# KiCad board Rogelio Pineda part 7-AMLDC-2044B.kicad_pcb (continued)
## Routing (per net, layer and track width the routed paths; a pad name or vN(x,y) marks a point on that pad's centre or on a via; arc(x,y) is an arc through that point) (continued)
C4p11: length 4.6
  Bottom w0.15: UC4.11 269.15,384.29 269.48,384.63 269.59,384.83 270.65,384.84 271.71,384.89 UC4.10
C4p13: length 365.6
  Top w0.15: UC4.13 264.15,382.8 264.17,379.8 UC4.2 ; v1(325.08,379.84) 325.08,377.59 325.13,377.55 324.92,353.63 324.9,350.84 324.83,342.97 324.77,338.71 325.04,328.82 325.18,326.62 325.36,324.82 325.67,316 325.93,310.38 326.43,296.76 326.56,295.31 326.75,290.89 326.93,288.4 327.34,279.21 327.61,275.46 327.83,270 327.93,268.82 328.2,263.97 328.58,256.01 328.81,253.12 328.84,244.1 328.77,241.55 328.77,232.8 328.69,223.91 328.69,203.85 328.64,203.81 328.74,187.88 328.73,186.65 328.63,181.67 328.77,174.69 328.36,171.65 327.7,168.28 326.93,164.14 326.37,162.28 325.99,159.57 325.49,157.71 325.31,154.77 325.13,153.19 325.08,151 325.18,149.71 324.95,148.18 324.43,145.98 324.58,137.42 324.31,119.77 324.2,101.83 324.11,99.44 324.17,98.09 324.13,85.99 324.13,85.57 v1(324.31,85.39) 324.43,85.27 ; 324.31,119.94 324.44,119.81
  Bottom w0.15: 293.08,380.69 289.43,381.1 274.07,381.27 270.73,381.39 268.95,381.9 267.83,382.86 UC4.12 265.8,384.49 264.87,384.49 UC4.13 ; 293.08,380.69 293.15,380.68 ; 293.08,380.69 296.55,380.52 297.52,380.26 302.92,380.26 322.9,380.03 323.94,380.07 v1(325.08,379.84)
C5p4: length 39.4
  Top w0.15: UD5.10 313.5,369.19 313.02,370.73 310.61,372.24 309.78,372.7 308.26,373.43 307.86,373.81 307.81,373.81 306.87,374.75 306.87,375.16 UC5.4 306.4,376.88 306.42,376.9 305.96,378.19 305.61,379.09 305.16,379.64 305.13,379.7 304.57,379.96 303.68,379.92 302.7,379.21 302.69,374.12 302.83,371.03 302.66,369.7 302.52,365.35 302.32,364.58 302.14,363.26 302,362.89 301.82,361.82 301.55,360.34 UD5.2
C6p9: length 39.5
  Top w0.15: UC7.3 385.61,377.4 385.71,381.97 385.71,382.96 UC7.12
  Bottom w0.15: UC6.9 356.9,382.87 357.74,381.97 358.08,381.47 358.61,381.14 360.05,380.33 361.15,379.87 362.94,379.43 363.81,379.43 364.59,379.54 365.88,379.79 366.4,379.95 367.22,380.15 368.02,380.3 368.82,380.36 375.35,380.22 379.23,380.22 379.25,380.2 380.4,380.2 381.25,380.28 383.02,380.87 384.26,381.78 384.35,381.84 384.45,381.94 384.75,382.23 UC7.12
C6p12: length 207.5
  Top w0.15: v1(372.38,249.78) 372.62,250.02 372.62,260.75 372.6,261.86 372.83,265.58 373.34,266.77 373.95,267.94 374.13,268.28 374.69,270.18 374.67,271.86 374.75,272.98 374.82,276.36 374.78,276.89 374.79,277.34 374.9,297.2 374.77,297.93 374.67,298.32 374.54,298.91 374.26,299.85 374.17,300 373.89,300.6 373.74,301.02 373.25,301.99 372.88,302.98 372.36,304.44 372.4,305.45 372.48,305.72 372.67,307.15 373.12,308.35 373.5,310.31 373.41,311.93 373.09,314.29 372.71,315.22 372.43,317.13 372.42,317.86 372.55,318.62 372.95,319.4 373.79,321.21 373.91,323.09 373.89,323.11 373.96,324.1 373.98,327.1 374.01,327.82 374,328.5 374.26,341.67 374.05,343.34 373.78,346.71 373.07,349.32 373.13,351.06 373.22,351.64 373.57,352.82 374.23,354.98 374.18,363.72 374.08,365.12 373.9,366.29 373.64,366.91 373.06,368.01 372.78,368.5 372.5,369.36 372.32,370.08 372.32,371.23 372.6,372.82 372.64,373.96 372.78,374.67 372.84,376.18 372.81,377.59 372.96,379.9 372.93,380.54 372.86,383.17 372.99,383.31 372.99,388.42 v1(372.92,388.5) ; UL7.12 384.75,229.29 384.72,229.95 UK7.3
  Bottom w0.15: v1(372.92,388.5) 372.1,388.75 370.8,388.43 367.05,387.89 361.5,387.69 354.23,387.84 352.82,387.86 350.49,387.75 349.62,387.29 348.86,384.89 UC6.12 ; 376.13,250.57 375.4,250.48 373.82,250.18 373.09,249.92 v1(372.38,249.78) ; 376.13,250.57 378.39,250.76 379.81,250.77 382.49,251.09 383.26,251.8 383.71,252.15 UK7.3
C6p13: length 128.7
  Top w0.15: v1(406.78,343.86) 407.39,345.09 407.65,346.1 407.88,347.27 407.86,348.07 407.88,349.18 407.85,350.48 407.9,351.05 407.73,353.59 407.38,355.03 407.19,356.61 407.01,357.67 406.85,361.38 407.02,362.94 407.23,364.01 407.36,365.04 407.49,366.15 407.6,370.9 407.55,372.43 407.64,373.94 407.68,377.09 407.68,378.69 407.73,381.93 407.73,383.13 407.7,384.47 407.67,385.07 407.55,388.13 407.39,389.11 407.3,389.32 v1(407.02,389.73)
  Bottom w0.15: UE8.3 421.72,341.15 421.42,341.58 421.08,342.04 420.4,342.65 419.46,343.03 418.75,343.03 418.11,343.08 417.38,343.07 416.73,343.1 415.02,343.15 414.1,343.17 412.02,343.46 410.67,343.63 408.23,343.73 v1(406.78,343.86) ; v1(407.02,389.73) 406.62,389.4 406.36,389.23 405.64,389.14 405.4,389.13 405.02,389.07 403.94,388.94 401.01,388.95 399.17,388.87 397.57,388.74 396.5,388.62 392.03,388.36 390.35,388.33 383.18,388.39 381.61,388.45 381.43,388.45 380.2,388.5 378.17,388.76 376.37,389.7 375.63,390.12 374.88,390.47 374.24,390.78 373.3,390.94 371.97,390.78 368.99,389.92 366.3,389.19 349.98,388.89 348.88,388.37 348.54,388.24 348.12,387.88 347.57,387.23 347.01,385.85 346.83,385.61 346.63,384.87 346.38,383.71 UC6.13
C7p2: length 294.3
  Top w0.15: 371.28,345.83 371.11,344.65 371.01,343.64 371.01,342.97 370.91,340.49 370.78,339.04 370.83,337.68 370.78,337.03 370.78,336.74 370.78,336.27 370.74,335.52 370.73,334.76 370.98,332.59 371.23,330.79 371.28,330.01 371.33,329.11 371.18,327.47 371,326.86 370.79,326.09 370,324.38 369.77,323.39 369.64,322.64 369.47,320.33 369.39,318.15 369.58,315.99 369.88,315.06 370.05,314.09 370.35,313.07 370.46,312.41 370.54,311.95 370.48,310.94 370.49,310.25 370.14,308.71 369.98,307.78 369.81,307.27 369.6,306.46 369.66,306.39 369.66,305.64 369.59,304.16 369.79,302.85 370.08,302.08 370.15,301.62 370.55,300.74 370.83,299.67 370.97,299.16 371.09,298.74 371.3,298.21 371.32,297.76 371.54,296.54 371.74,281.8 371.6,279.98 371.31,279.28 371.18,278.81 370.89,278.13 370.73,277.51 370.57,276.81 370.8,276.11 371.13,275.23 371.56,274.56 371.95,273.68 372.46,272.01 372.4,269.97 371.73,267.88 371.32,266.68 370.88,265.51 370.79,260.71 370.88,256.2 370.84,255.48 370.78,254.92 370.54,253.62 370.45,252.86 370.32,251.4 370.28,250.93 370.34,249.26 371.22,247.69 371.53,247.01 372.27,245.43 372.28,244.52 372.4,242.59 372.33,237.64 372.26,216.3 372.05,214.52 371.88,212.37 371.35,210.42 371.1,207.88 371.04,202.27 370.84,196.93 370.8,195.96 370.73,194.78 370.8,193.39 371.03,192.1 371.2,191.16 371.63,190.03 372.18,188.3 372.9,186.43 372.64,170.74 372.5,169.66 372.32,168.03 372.17,166.32 372,164.98 371.77,156.19 371.68,142.57 371.74,118.26 372.01,117.98 371.98,108.81 371.75,105.38 371.61,104.18 371.26,96.52 371.26,96.52 v1(371.22,96.52) 371.22,96.48 371.19,96.45 ; 371.24,345.26 371.41,346.96 371.63,348.26 372.07,350.13 372.05,350.15 372.2,350.73 372.34,351.73 372.61,352.69 372.97,354.22 373.22,355.87 373.29,361.22 373.25,361.65 373.18,363.66 372.99,365.11 372.62,366.19 372.23,367 371.79,368.25 371.29,369.69 371.25,370.13 370.87,372.29 v1(370.76,373.24)
  Bottom w0.15: v1(370.76,373.24) 371.31,373.52 372.07,373.77 376.33,373.88 376.64,373.86 ; 376.64,373.86 381.18,373.97 381.87,374.08 382.2,374.25 382.69,374.49 382.77,374.64 UC7.2 ; 376.64,373.86 376.82,373.85
C7p11: length 171.3
  Top w0.15: v1(409.32,356.65) 409.58,356.09 409.76,355.53 409.88,354.26 410,352.94 409.93,345.69 409.93,344.85 409.5,343.45 408.92,342.4 408.19,341.61 408.07,341.24 407.58,339.7 407.73,337.25 407.83,336.61 407.88,334.14 407.87,334.13 407.87,328.05 407.98,326.27 407.98,321.71 408.04,321.44 408.15,320.2 408.22,319.65 408.3,318.45 408.66,316.07 408.77,312.54 408.79,310.46 408.49,307.55 408.32,305.86 408.15,303.76 408.04,302.38 407.9,301.12 407.74,299.51 407.65,297.96 407.48,295.43 407.41,294.07 407.3,288.7 407.25,288.65 407.25,285.6 407.3,285.55 407.23,282.81 407.15,281.28 407.09,278.3 407.07,276.86 407.09,276.36 407.07,273.26 407.29,268.01 407.37,266.82 407.41,265.26 407.53,264.37 407.57,263.2 407.57,262.31 407.75,260.97 v1(407.63,259.98) ; UC7.11 388.48,382.45 389.2,381.42 390.08,380.31 390.27,379.92 390.99,378.85 391.59,377.23 391.68,376.52 391.62,373.91 391.5,373.24 391.32,372.33 391.06,371.73 390.49,370.76 389.29,369.19 389.08,367.53 389.08,366.9 389.08,365.52 388.69,364.52 387.7,362.83 387.23,362.21 386.96,361.73 386.43,361.04 385.88,360.36 UD7.3
  Bottom w0.15: UK8.10 UK8.11 UK8.12 421.4,260.12 421.08,259.74 ; 421.08,259.74 421.2,259.86 ; 421.08,259.74 420.59,259.4 420.1,259.01 419.35,258.81 418.51,258.64 418.5,258.65 417.49,258.63 416.48,258.79 414.15,259.35 412.16,260.02 410.59,260.09 409.71,259.94 409.03,259.97 408.39,259.98 408.06,260 v1(407.63,259.98) ; v1(409.32,356.65) 409.2,356.77 408.11,356.59 388.39,356.42 386.75,356.5 385.69,357.03 385.25,357.44 384.92,358.31 UD7.3
C8p8: length 19.6
  Top w0.15: UC8.8 430.73,382.37 430.37,382.02 429.72,381.54 428.32,380.36 427.67,380.07 426.62,379.41 426.3,379.08 426,378.72 425.53,377.91 425.22,377.44 425.07,373.5 424.83,372.51 424.68,371.61 424.36,370.14 424.24,369.44 UD8.11
C8p10: length 20.3
  Top w0.25: UB8.11 426.11,397.38 427.41,395.8 427.93,392.98 428.13,391.95 427.78,388.93 427.48,387.48 427.28,386.45 426.84,382.95
  Bottom w0.2: UC8.10 UC8.9
C47p1: length 7.9
  Bottom w0.15: C47.1 R43.2 401.55,267.5 CR2.2
CLR: length 71.3
  Top w0.15: v1(82.28,315.8) 83.43,318.68 84.7,320.88 85.82,323.83 87.25,326.37 88.05,328.12 89.85,330.82 90.52,331.39 90.94,331.74 92.27,333.27 92.99,334.72 93.07,337.16 92.77,338.79 v1(92.28,340.91)
  Top w0.2: UD0.3 114.66,360.51 114.15,359.69 113.46,359.06 112.74,358.54 111.37,357.82 110.49,357.91 R71.2
  Bottom w0.15: R71.2 108.87,356.86 105.93,356.84 103.2,356 101.87,355.45 99.71,354.57 97.17,353.2 95.08,351.19 94.53,349.77 94.32,348.52 94.38,346.95 94.54,345.91 94.59,344.94 94.51,342.93 93.01,340.91 v1(92.28,340.91) ; J1.50 79.95,314.89 80.4,315.89 80.92,315.94 81.58,315.93 v1(82.28,315.8)
D0p2: length 24.4
  Top w0.2: UD0.2 112.38,362.95 112.1,364.37 111.58,367.45 111.28,369.4 111.25,371.24 111.53,371.98 v1(112.39,373.78) 112.48,373.82
  Bottom w0.15: v1(112.39,373.78) 112.24,374.16 111.93,374.78 111.53,375.23 110.85,375.95 109.96,376.25 108.93,376.28 108.67,376.27 108.34,375.93 R46.2 106.18,376.14 C1.1 106.18,376.33 106.2,376.31 107.23,376.23
D0p4: length 12
  Bottom w0.15: UD0.4 118.08,360.9 118.67,359.68 119.34,358.63 120.84,357.91 122.86,357.55 R71.1 ; R71.1 124.1,356.31 ; R71.1 C58.1
D0p6: length 173.1
  Top w0.15: v1(175.21,354.86) 174.88,353.91 174.85,353.38 174.75,350.13 174.74,343.17 174.71,341.06 174.85,334.87 174.89,331.99 174.76,328.21 174.71,327.38 174.62,326.51 174.4,325.26 174.06,324.58 174.88,322.57 174.74,321.97 174.88,319.13 174.81,318.44 174.58,315.99 174.34,314.77 174.22,313.65 174.09,313 174.16,310.32 175.39,305.74 175.32,301.53 175.03,296.87 175.05,295.08 175.7,293.54 176.04,292.35 177.11,290.32 177.14,282.38 177.11,282.34 177.11,274.57 177.07,274.54 177.14,274.23 177.21,273.13 177.21,262.01 v1(177.31,261.91)
  Bottom w0.15: UD0.6 123.15,360.56 124.74,359.24 129.6,359.04 133.48,358.89 136.67,358.59 139.58,358 145.67,356.36 153.97,357.75 158.54,357.56 162.52,356.4 169.51,356.25 v1(175.21,354.86) ; v1(177.31,261.91) 183.73,262.9 187.92,263.92 191.22,264.42 192.62,264.55 196.68,264.55 197.57,264.3 198.72,263.28 198.72,263.03 198.79,262.95 UK2.10
D0p8: length 568.2
  Top w0.15: v1(285.47,253.41) 285.54,253.41 288.37,250.96 289.08,250.28 290.07,248.75 289.85,245.12 289.63,244.1 289.32,242.62 289,240.63 288.56,236.56 288.47,235.26 288.05,231.74 287.74,229.28 287.66,217.18 287.59,214.14 287.83,183.47 287.59,175.49 287.43,171.11 ; 215.69,280.35 215.58,282 214.73,287.39 214.03,290.69 213.58,293.37 213.58,294.54 213.89,329.95 213.94,331.75 213.91,334.02 213.87,335.76 214.06,347.86 214.1,348.57 214.24,349.64 214.19,355.96 214.12,357.24 213.84,360.45 213.85,361.19 213.62,369.75 213.82,370.46 214.48,372.51 214.88,373.46 v1(215.36,374.74) ; 215.68,280.58 215.91,277.06 215.94,275.63 215.88,263.02 ; v1(337.09,214.45) 336.67,213.41 336.34,212.67 335.81,211.72 334.59,209.81 334.32,209.25 334.09,208.27 334.33,206.53 334.66,205.58 334.86,204.97 335.28,203.52 335.43,202.73 335.63,201.91 335.68,198.44 335.95,196.73 336.26,195.14 336.61,193.3 337.06,190.73 337.4,189.33 337.85,185.01 337.82,182.97 337.99,182.26 337.93,182.21 338.01,180.64 338.25,176.34 338.33,174.33 338.31,173.03 338.38,171.73 338.43,169.87 338.45,167.7 338.25,164.47 337.59,163.12 336.97,161.18 v1(336.76,160.96) ; v1(287.53,159.94) 287.26,160.21 287.44,172.18 ; 215.89,263.2 215.48,255.51 215.45,254.71 215.23,247.88 215.19,246.64 214.96,243.13 214.89,241.87 214.55,237.44 214.42,236.01 214.12,232.53 v1(213.84,231.17)
  Bottom w0.15: UM6.9 355.68,212.36 355.36,213.3 355.05,213.57 355.02,213.57 353.78,214.35 352.39,214.63 351.39,214.62 349.33,214.57 348.42,214.56 348.14,214.57 337.9,214.57 337.48,214.58 v1(337.09,214.45) ; v1(336.76,160.96) 336,160.87 335.78,160.29 335.71,159.19 335.89,158.24 335.94,157.81 336.08,157.29 336.34,156.32 336.34,155.72 335.84,154.94 335.8,154.91 335.66,154.64 335.32,154.34 335.2,154.21 334.8,154.06 334.86,154.07 334.15,153.94 333.46,154.2 333.1,154.62 332.74,155.06 332.64,155.36 332.18,155.96 331.84,156.5 330.36,157.98 328.02,158.62 327.24,158.8 325.85,158.96 324.19,159.09 323.45,159.2 323.2,159.2 322.26,159.32 321.08,159.34 319.74,159.44 317.78,159.62 313.97,159.64 312.38,159.7 294.79,159.71 294.35,159.76
  Bottom w0.2: v1(215.36,374.74) 214.55,374.2 213.84,373.92 211.42,372.56 208.24,372.11 208.22,372.13 199.1,372.03 195.37,372.71 190.65,373.85 186.98,375.74 185.48,376.38 184.45,376.93 178.48,376.64 173.67,376.64 148.82,376.36 148.29,376.24 147.2,375.88 145.33,374.68 143.61,374 142.47,373.66 140.82,373.23 136.28,372.15 133.78,371.9 130.97,371.33 128.59,371.21 127.73,371.08 127.28,371.08 125.98,371.12 125.27,370.83 UD0.8 ; v1(213.84,231.17) 202.67,231.06 201.78,230.62 201.48,230.39 201.36,230.01 201.25,229.54 UL2.9 ; UP4.7 276.91,161.2 277.6,160.15 279,159.51 281.39,159.99 283.4,160.34 285.97,160.26 287.53,160.12 v1(287.53,159.94) 288.76,159.9 291.65,159.8 292.51,159.82 294.49,159.76 ; v1(215.28,250.56) 216.04,250.73 216.82,250.87 217.55,251.02 221.28,251.39 222.42,251.47 235.69,251.47 237.57,251.46 241.52,251.3 247.24,251.44 248.94,251.81 252.06,253.15 254.79,254.44 257.21,255.59 259.18,256.48 262.26,257.76 264.84,258.6 267.82,258.73 271.37,258.22 276.29,256.87 278.76,255.85 281.32,255.1 283.45,254.4 284.54,254.06 285.47,253.63 v1(285.47,253.41)
D0p9: length 210.3
  Top w0.15: v1(179.71,296.25) 179.86,296.41 179.86,298.47 180.19,299.83 180.3,308.5 180.21,308.59 180.28,308.66 180.44,312.69 180.31,315.2 180.16,318.07 179.42,322.05 179.64,326.85 179.89,327.96 180.02,329.77 180.34,332.87 180.17,336.44 180.21,336.91 180.14,339.12 179.89,342.64 179.52,347.3 179.12,351.34 178.97,352.65 178.97,355.65 179.1,356.57 179.32,357.64 179.59,359.72 179.79,360.71 180.07,362.37 180.12,363.21 180.59,367.63 180.69,368.99 180.88,370.15 v1(181.19,371.34)
  Top w0.25: UD0.13 113.23,369.01 113.83,368 114.98,367.5 121.73,367.35 ; 121.73,367.35 UD0.9 ; 121.73,367.35 121.28,365.95 120.53,363.6 120.39,362.63 UD0.5 121.88,354.15 122.43,352.9 122.58,352.35 122.64,352.29 122.64,350.67 122.03,349.6 121.43,348.8 120.68,348.4 119.93,348.25 119.18,348.2 118.03,348.15 115.88,348.2 113.93,348.55 112.48,350 112.48,350.67
  Bottom w0.2: UD0.9 123.11,369.18 123.83,368.73 124.33,368.54 125.49,368.14 126.22,368.28 129.13,369.26 131.42,370.06 136.57,371.06 139.14,371.45 142.82,372.7 144.39,373.39 145.53,374.02 145.94,374.17 146.52,374.31 147.14,374.9 147.34,375.31 151.28,375.44 151.84,375.43 156.65,375.3 157.61,375.31 158.29,375.25 170.97,375.53 173.42,375.35 174.7,375.33 176.31,374.62 178.27,373.52 179.26,372.93 179.89,372.46 180.71,371.99 v1(181.19,371.34) 182.35,370.54 184.33,369.3 185.55,369.26 186.35,369.81 187.78,370.91 188.63,371.33 189.45,371.16 190.35,370.74 191.4,369.87 UD2.13 ; v1(179.71,296.25) 178.93,296.4 175.02,296.63 174.08,296.71 173.44,296.71 171.63,296.66 169.12,296.96 167.31,297.15 166.34,297.27 164.16,297.31 163.61,297.61 UH1.8
D0p10: length 12.3
  Top w0.25: R83.2 122.19,373.52 122.14,373.57 121.63,373.5 120.28,372.1 UD0.10
  Bottom w0.2: 123.83,373.8 125.68,373.8 125.73,373.85 124.37,373.85 R83.2 125.82,373.52 C20.2
D0p12: length 357.5
  Top w0.15: v1(104.93,48.29) 104.93,48.64 105.09,48.83 105.08,51.09 105.15,51.17 v1(104.97,51.89) 105.28,52.21 105.28,62.74 105.41,64.28 105.14,68.73 104.57,70.1 104.19,70.95 103.9,71.43 103.67,71.77 103.38,72.87 103.4,73.99 104,77.05 104.18,78.23 104.25,79.53 104.23,80.08 104.19,81.16 104.31,89.18 104.2,90.29 103.4,93.24 103.05,94.07 102.74,94.88 102.45,96.06 102.59,98.03 102.65,98.44 102.97,99.36 103.28,100.92 103.53,103.44 103.45,106.3 103.43,107.03 103.27,108.04 103.18,108.95 102.88,109.87 102.42,111.19 102.26,111.79 102.07,112.58 101.7,113.6 100.94,115.88 100.82,116.4 100.67,117.14 100.42,118.75 100.39,119.28 100.45,120.5 100.93,122.22 101.05,122.81 101.22,124.39 101.45,125.89 101.56,127.77 101.83,152.09 101.5,158.32 101.34,159.19 101.03,162.43 ; 102.46,176.05 102.15,171.34 101.71,169.48 100.9,166.44 100.87,163.49 101.05,162.28 ; v1(103.69,368.83) 103.77,367.77 104.34,363.39 104.49,362.44 104.97,360.6 105.36,359.01 105.72,356.75 105.63,353.82 104.92,350.75 103.82,349.22 103.21,348.29 102.66,347.48 101.42,345.8 101.3,345.6 100.6,344.44 100.27,341.69 99.9,339.46 99.61,337 99.37,336.16 98.54,333.19 97.58,330.96 97.1,328.49 97.44,326 98.32,324.52 98.65,322.57 98.16,319.06 97.57,317.7 97.4,316.41 97.28,315.6 97.28,313.52 97.85,311.63 99.28,309.43 99.89,308.76 100.91,307.29 101.87,304.87 102.46,301.71 102.5,300.51 102.56,296.65 103.19,293.36 102.94,290.18 102.73,289.28 ; 102.46,175.79 102.33,179.7 102.11,184.48 101.58,185.89 101.24,187.8 101.38,188.91 v1(101.64,189.97) 101.78,190.11 102.07,191.42 102.41,192.4 102.96,194.8 103.18,195.16 103.65,198.12 103.7,198.48 103.66,200.65 103.65,201.17 103.45,203.87 103.42,204.89 103.33,206.4 103.26,206.58 102.94,208.99 102.87,209.99 102.7,212.43 102.69,212.99 102.49,215.27 102.42,216.37 102.44,217.78 102.5,218.84 103.06,220.95 103.53,222.26 103.92,226.23 104,226.74 104.69,230.16 104.86,231.09 105.11,232.83 105.83,236.92 106.22,240 106.37,241.23 106.55,244.74 106.62,245.94 106.79,258.93 106.83,259.43 106.57,262.42 104.85,265.86 103.98,267.09 102.8,269.74 102.61,271.01 102.53,271.87 102.51,287.09 102.49,287.19 102.6,288.68 102.76,289.43
  Bottom w0.15: UD0.12 114.94,368.43 113.75,367.86 112.48,367.79 110.97,367.82 109.03,368.07 107.67,368.7 106.68,369.12 105.85,369.28 105.2,369.32 104.37,369.23 104.01,368.83 v1(103.69,368.83) ; UN0.3 114.75,189.34 114.32,190.07 113.65,190.53 112.66,190.57 111.01,190.65 110.03,190.62 108.06,190.54 104.37,190.44 103.44,190.2 102.66,190.07 v1(101.64,189.97)
D1p2: length 18.6
  Top w0.15: R9.2 162.36,358.53 161.19,357.36 160.58,356.5 C43.1
  Bottom w0.2: UD1.2 150.81,360.98 152.67,359.66 154.64,358.93 156.11,358.6 157.42,358.59 R9.2
D1p3: length 40.1
  Top w0.15: UF1.4 155.23,325.67 154.9,326.23 154.84,326.33 154.44,326.69 153.52,327.61 152.53,328.96 151.78,330.54 151.84,332.35 151.94,332.45 151.61,338.66 151.18,339.55 150.89,342.84 UE1.2 151.38,345.84 151.91,348.6 151.88,353.01 151.84,356 151.94,358.66 152.92,360.99 UD1.3
D1p10: length 6.3
  Bottom w0.2: R11.2 160.59,373.48 159.6,372.92 159.22,372.27 158.51,371.2 UD1.10
D1p13: length 76.8
  Top w0.15: 155.71,307.73 158.32,311.12 159.34,313.24 159.57,317.21 158.35,319.59 157.96,320.42 157.58,321.16 157.19,322.7 156.92,323.48 156.92,327.58 156.91,327.58 156.92,328 156.92,334.83 157,334.91 156.49,337.76 156.49,339.68 157.29,341.8 UE1.5 157.55,345.33 157.06,346.86 156.87,352.47 155.69,354.33 155.46,356.35 155.72,357.89 156.55,359.33 158,360.78 UD1.5 158.6,363.82 159.41,365.49 v1(159.62,366.42) UD1.9
  Bottom w0.2: v1(159.62,366.42) 158.68,366.37 158.07,366.33 156.9,366.33 154.79,366.4 154.39,366.43 153.37,366.7 152.88,367.12 152.14,367.77 151.4,368.63 UD1.13
D2p2: length 10.8
  Top w0.15: C44.1 190.07,359.3 191.07,360.3 UD2.2
  Bottom w0.15: C44.1 187.15,358.54 186.6,358.91 185.66,359.55 184.9,360.01 R14.2
D2p5: length 92.6
  Top w0.15: 195.03,339.57 193.79,338.25 192.53,336.28 192.22,328.8 192.19,328.06 192.19,324.93 192.35,324.49 192.74,321.57 193.16,320.47 194.69,318.26 196.15,316.71 UG2.11 ; 195.03,339.57 197.23,341.85 197.44,344.43 197.44,350.13 197.39,350.76 197.41,356.92 198.18,358.43 ; 195.03,339.57 195,339.43 ; 198.07,358.4 198.52,359.98 UD2.5
  Bottom w0.15: UD3.5 238.84,363.55 238.47,363.91 237.01,364.54 235.33,364.61 232.26,364.59 231.25,364.61 229.11,364.46 225.44,363.71 221.3,362.66 218.54,362.39 217.92,362.31 215.39,362.2 212.58,362.15 206.29,363.24 202.57,363.32 201.33,363.29 199.8,362.96 199.02,362.28 UD2.5
D2p12: length 608.2
  Top w0.15: 256.65,89.45 v1(256.7,89.47) 256.91,90.8 257.17,92.01 257.21,93.67 257.22,97.51 257,97.72 257,116.5 257.12,117.61 256.84,150.55 256.85,153.57 256.74,155.74 v1(256.6,157.02) 257.13,161.43 256.67,221.62 256.59,227.41 v1(256.41,228.79) ; v1(179.27,221.32) 179.06,223.06 179.2,223.91 ; v1(134.4,90) 134.5,93.81 134.49,94.43 134.72,96.07 134.87,99.37 134.91,100.98 134.97,102.63 135.07,104.36 135.07,109.63 135.49,111.26 135.75,113.97 135.92,114.91 136.09,116.33 136.42,118.08 136.45,123.1 136.21,124.39 136.07,126.62 136.03,126.97 135.41,132.89 135.17,135.06 135.1,136.34 134.96,136.99 134.77,140.78 134.84,142.16 134.79,144.19 v1(134.65,153.67) 133.94,154.38 133.71,155.29 133.17,157.37 133.04,169.32 133.17,170.89 133.91,174.66 134.26,175.83 135.21,179.98 135.43,181.5 135.83,185.85 136.01,187.02 136.28,191.92 136.36,193.27 136.41,195.42 136.45,196.99 136.63,199.85 136.88,201.01 137.32,206.97 137.43,208.16 137.65,210.31 137.78,211.17 137.87,214.54 137.98,216.29 138.16,218.82 138.23,219.44 v1(138.13,221.13) ; v1(178.86,368.84) 178.72,367.51 178.53,363.27 178.47,362.39 178.09,359.91 177.98,358.44 177.76,356.15 177.8,354.05 178.07,351.01 178.4,348.57 178.43,348.23 178.62,346.04 178.78,343.23 179.02,340.64 179.37,336.01 179.33,334.91 179.25,332.55 179.04,330.81 178.72,328.08 178.55,325.98 178.47,325.91 178.47,321.88 178.49,321.31 178.7,318.83 178.88,317.59 179.04,307.73 178.94,307.16 178.84,303.28 178.74,302.47 178.21,297.15 178.08,295.44 178.57,294.04 179.35,292.27 180.12,289.08 180.3,280.12 ; 180.32,280.44 180.32,279.85 180.36,272.6 180.26,267.94 180.08,253.63 180.11,251.94 179.94,242.84 180.06,240.95 179.98,232.86 179.77,229.16 179.35,226.45 179.18,223.83
  Bottom w0.15: v1(256.41,228.79) 257.05,228.87 257.52,228.85 260.94,228.85 261.03,228.94 261.37,228.6 UL4.1 ; 255.58,157.48 254.61,157.32 253.24,157.1 251.9,156.83 249.3,156.61 247.87,156.58 237.28,156.28 234.82,156.21 224.18,155.97 220.46,155.44 212.79,154.58 211.96,154.58 210.3,154.55 208.14,154.46 206.12,154.96 203.7,156.11 201.38,156.92 199.07,157.08 195.45,157.21 188.34,157.31 182.44,157.26 179.6,157.22 175.05,156.95 173.39,156.89 172.18,156.78 165.18,156.36 162.05,155.91 156.74,155.7 151.37,155.55 146.65,155.23 145.55,155.02 142.46,154.36 140.08,153.44 138.7,153.14 135.38,153.47 v1(134.65,153.67) ; 255.49,157.48 256.05,157.53 v1(256.6,157.02)
  Bottom w0.2: v1(179.27,221.32) 178.37,220.66 175.24,219.82 172.41,219.29 168.45,218.62 154.09,218.38 151.89,218.36 149.78,218.56 148.39,219.67 UL1.1 146.97,221 146.23,221.02 140.13,221.15 139.1,221.13 v1(138.13,221.13) ; UD2.12 193.5,367.62 192.96,367.26 192.28,366.85 191.71,366.67 190.76,366.69 189.5,366.63 188.24,366.69 186.29,366.7 182.78,368.08 181.6,368.38 180.1,368.76 179.39,368.76 v1(178.86,368.84)
D3p6: length 7.9
  Top w0.15: UD3.6 240.89,359.97 239.96,357.62 239.61,357.2 239.14,355.88 C27.1
D3p7: length 24.5
  Top w0.15: v1(251.51,361) 251.39,360.34 251.24,359.66 250.47,356.06 R89.2 ; C27.2 245.01,356.41 244.68,358.09 244.31,359.6 244.12,360.44 UD3.7
  Bottom w0.15: v1(251.51,361) 251.33,361.64 ; 251.33,361.64 251.33,361.58 ; 251.33,361.64 250.87,362.1 250.36,362.54 250.03,362.72 249.53,363.17 248.43,364.02 247.74,364.43 247.19,364.57 246.69,364.62 245.58,364.49 244.96,364.05 244.56,363.36 UD3.7
D3p10: length 11.2
  Top w0.15: UD3.10 243.42,368.47 242.38,367.26 240.63,365.98 238.65,364.84 236.88,363.58 UD3.4
D3p14: length 6.1
  Top w0.15: C25.2 236.28,373.34 235.12,372.65 ; UD3.14 233.76,370.94 235.2,372.7
D3p15: length 10.6
  Top w0.15: UD3.15 231.22,370.77 231.27,371.15 C25.1
  Bottom w0.15: R27.1 226.84,372.92 228.79,373.1 230.04,373.25 C25.1
D4p1: length 62.5
  Bottom w0.15: v1(201.29,364.91) 203.49,364.91 203.76,364.95 204.03,364.99 207.05,365.14 208.92,364.89 211.07,364.16 213.41,363.5 219.37,363.55 222.27,364.43 226,365.1 227.69,365.48 237.62,365.84 239.06,365.81 245.37,365.85 246.95,365.92 248.79,365.42 249.91,364.47 251.48,363.28 253.5,361.89 257.09,360.84 258.33,360.63 259.3,360.31 259.7,360.18 261.23,360.06 UD4.1
D4p3: length 43.3
  Bottom w0.15: 292.32,361.92 290.07,361.85 269.03,362.03 268.01,361.7 267.01,360.85 UD4.3 ; 292.32,361.92 304.65,362.02 306.03,361.58 306.54,361.33 306.57,361.02 306.28,359.4 ; 292.32,361.92 292.38,361.93
D4p12: length 14.3
  Bottom w0.15: UD4.12 266.71,368.91 266.11,369.64 265.51,370.15 264.2,370.28 263.38,370.3 262.29,370.3 260.57,370.22 258.71,369.52 257.82,368.82 257.49,368.36 R88.1
D4p13: length 74.4
  Top w0.15: v1(289.01,399.23) 289.31,396.84 289.72,392.4 289.68,375.54 289.68,372.13 289.39,366.88 v1(289.12,364.9)
  Bottom w0.15: UB5.13 301.54,398.86 300.89,398.55 300.45,398.4 299.89,398.32 298.41,398.41 296.17,398.65 294.61,398.78 293.12,399.1 292.44,399.14 290.7,399.31 289.96,399.26 289.28,399.23 v1(289.01,399.23) ; UD4.13 264.85,366.59 265.2,366.15 265.6,365.48 266.95,364.49 268.59,364.32 272.41,364.3 278.75,364.25 286.78,365.07 287.54,365.08 288.47,365.13 288.48,365.1 288.82,365.07 289,364.9 v1(289.12,364.9)
D5p6: length 5.8
  Top w0.15: UD5.6 311,359.05 310.88,357.85 310.05,357.07 310.05,357.04 309.54,356.78 309.35,356.76 308.66,356.76 308.65,356.75 C24.2
D5p7: length 10.5
  Bottom w0.15: UD5.7 313.9,357.07 C24.1 314.52,357.17 315.68,357.01 316.61,357.03 317.52,356.95 321.18,356.95
D5p14: length 5.8
  Top w0.15: C40.1 306.53,370.26 305.4,369.82 304.85,369.43 304.42,368.95 304.04,368.5 303.74,368.19 UD5.14
D5p15: length 10.5
  Bottom w0.15: 293.73,370.32 295.27,369.99 299.12,370.1 C40.2 301.8,368.76 UD5.15
D6p8: length 31.7
  Bottom w0.15: 381.22,372.98 382.27,373.1 383.01,373.21 384.41,373.41 385.28,373.52 385.79,373.52 386.72,374.11 386.92,374.33 387.14,374.51 387.54,374.91 UC7.4 ; 381.22,372.98 381.26,372.98 ; 381.22,372.98 377.11,372.72 373.93,372.5 373.09,372.38 371.51,372.05 370.11,371.5 368.01,370.72 366.23,370.22 364.6,369.5 363.31,369.1 361.83,368.77 360.64,368.46 359.63,368.18 359.1,367.82 UD6.8
D6p9: length 41.8
  Bottom w0.15: UC7.6 392.46,376.78 392.27,377.02 391.67,377.53 390.87,377.77 389.34,377.84 388.84,377.84 388.47,377.88 386.55,377.88 ; 386.55,377.88 386.68,377.89 ; 386.55,377.88 375.53,377.53 374.57,377.29 373.78,377.11 372.78,376.83 372.03,376.54 371.36,376.23 370.72,375.91 369.27,375.21 368.58,374.82 367.82,374.33 365.5,372.81 364.96,372.42 363.61,371.55 361.99,370.95 359.65,370.46 358.45,370.02 357.48,369.35 356.64,368.5 355.98,367.74 UD6.9
D6p10: length 45.2
  Bottom w0.15: 376.9,378.78 375.51,378.7 374.52,378.7 373.87,378.65 372.44,378.46 370.04,377.58 368.61,376.92 367.84,376.34 366.13,375.41 364.75,374.68 363.45,374 361.46,373.12 360.39,372.72 358.1,371.99 356.58,371.19 355.68,370.79 354.55,369.71 354.02,368.62 UD6.10 ; 376.9,378.78 384.66,379.07 386.12,379.17 388.09,379.46 390.2,380.37 390.84,380.95 391.38,381.39 391.61,381.67 392.14,382.41 UC7.9 ; 376.9,378.78 376.91,378.79 ; 360.57,372.76 360.53,372.72
D7p5: length 193
  Top w0.15: 400.41,295.19 400.35,296.16 ; 400.35,296.16 400.38,295.46 400.64,294 400.74,293.3 400.86,292.42 401.18,291.51 401.77,289.34 402.22,288.23 402.69,286.77 402.76,286.38 402.96,285.88 403.34,284.26 403.55,281.08 403.58,279.76 403.59,269.76 403.6,268.19 403.39,265.32 402.99,263.58 402.38,262.19 401.47,260.74 401.41,260.74 400.44,258.99 399.52,257.55 399.12,256.44 398.77,254.79 398.69,248.54 398.68,247.37 398.5,208.9 398.77,204.11 398.71,201.56 v1(398.89,201.38) ; 400.35,296.16 400.22,300.47 400.22,302.35 400.19,306.29 400.2,307.02 400.2,316.92 400.17,318.58 400.45,330.39 400.45,334.65 400.71,347.8 400.81,349.4 v1(400.84,350.56) ; UD7.5 390.51,357.8 390.67,357.2 390.96,356.02 391.3,354.77 391.38,354.2 391.69,353.09 391.9,352.46 392.02,351.9 392.27,350.53 392.45,350.03 392.53,349.66 392.61,348.91 UE7.9
  Bottom w0.15: UM7.2 381.76,202.48 381.99,201.88 382.95,200.96 383.99,200.63 385.08,200.49 396.83,200.84 397.68,200.89 v1(398.89,201.38) ; 400.62,350.56 v1(400.84,350.56) 400.16,350.43 394.6,350.43 394.14,350.2 393.76,350.03 393.18,349.42 392.78,348.94 UE7.9
D7p9: length 301
  Top w0.15: v1(399.47,286.71) 399.5,286.74 399.5,288.33 399.4,288.71 399.22,289.96 399.09,292.7 398.98,293.68 399.07,313.06 399.21,320.69 399.33,351.71 399.38,352.46 399.41,355.24 399.61,357 399.85,360.22 400.08,364.05 399.98,364.65 v1(400.02,364.69) ; 196.18,284.78 v1(196.2,284.87) 196.32,282.56 196.42,278.4 UJ2.11
  Bottom w0.15: UD7.9 392.44,365.98 392.99,365.29 393.74,364.91 394.31,364.86 399.19,364.7 399.95,364.69 v1(400.02,364.69) ; v1(399.47,286.71) 399.2,286.71 398.2,285.09 397.78,284.55 395.54,282.55 393.95,282.06 393.08,282.05 382.97,282.17 382.04,282.23 379.4,282.26 378.82,282.19 378.46,282.21 376.28,282.21 374.75,282.15 359.77,282.66 358.22,282.62 356.21,282.42 353.14,282.01 351.79,281.74 347.7,281.12 346.03,280.9 341.52,280.53 339.73,280.29 337.26,279.98 333.24,281.66 330.88,281.93 329.3,281.96 325.55,281.75 324.32,281.58 322.43,281.41 321.73,281.38 321.43,281.35 319.75,281.19 318.73,281.07 313.65,280.84 312.45,280.86 309.71,280.51 308.23,280.16 305.66,279.54 304.32,279.09 302.62,278.65 300.85,278.11 298.72,277.49 297.13,277.12 295.4,276.87 294.9,276.88 294.27,276.88 292.5,277.07 291.55,277.25 290.38,277.64 289.72,277.76 287.98,278.12 286.63,278.59 284.89,278.93 281.18,279.3 276.91,279.44 270.57,279.59 270.53,279.55 268.17,279.69 266.71,279.8 262.62,280.18 261.02,280.46 258.79,280.66 256.97,280.7 252.25,281.06 251.43,281.21 248.42,281.51 247.68,281.6 246.42,281.67 243.76,281.88 241.63,281.96 239.94,281.97 237.59,281.84 236.5,282.04 232.52,282.57 230.31,283.04 229.37,283.19 223.28,283.39 214.69,283.24 212.56,283.35 210.36,283.43 209.33,283.5 205.09,284.06 203.46,284.42 199.2,284.68 198.05,284.7 197.32,284.68 v1(196.2,284.87)
DATIA: length 58.1
  Top w0.15: v1(82.18,325.25) 82.77,326.53 84.05,328.24 84.62,329.18 85.71,330.64 87.31,333.2 87.94,334.8 88.35,336.88 88.67,337.9 89.5,340.42 89.65,340.79 90.17,341.37 91.03,342.45 v1(92.5,343.39)
  Bottom w0.15: v1(82.18,325.25) J1.44 ; 97.8,355.32 96.9,354.51 96.56,354.27 95.6,353.59 95.16,352.96 94.91,352.62 94.37,352.05 93.74,350.68 93.36,348.76 93.32,346.97 93.11,344.47 v1(92.5,343.39)
  Bottom w0.2: 108.04,362.18 UD0.1 ; 108.04,362.18 106.6,362.18 R46.1 ; 108.04,362.18 107.38,362.15 106.25,362.4 104.83,360.82 100.82,357.5 100.36,357.17 99.81,356.77 v1(98.56,355.99) 98.56,355.83 97.8,355.32
DATIB: length 166.6
  Top w0.15: UB2.4 196.15,394.42 195.72,394.15 195.18,393.04 194.52,392.38 193.87,392.11 193.01,391.8 R70.1 ; v1(91.74,346.33) 90.69,345.15 90.08,344.2 89,342.69 88.51,340.85 87.31,338.42 86.48,336.48 85.62,334.64 84.55,332.49 82.19,328.94 v1(82.19,328.92)
  Top w0.25: 169.58,383.4 v2(169.58,383.35) v2(169.53,389.1) 169.58,389.05 ; v1(103.64,382.7) 103.12,381.04 101.94,377.36 100.92,373.59 100.57,372.53 100.31,371.41 99.85,369.56 99.24,366.9 v1(98.57,362.48)
  Bottom w0.15: v2(169.58,383.35) 169.18,383.35 168.89,383.15 167.6,383.15 166.27,383.1 165.06,383.22 156.29,382.72 156.17,382.84 149.76,383.04 141.14,383.85 138.86,383.85 136.59,383.82 134.32,384.06 133.09,384.18 130.96,384.22 127.18,383.96 125,383.82 123.45,383.61 119.49,383.34 117.84,383.24 115.08,383.08 114.43,382.94 114.21,382.96 109.98,382.87 108.31,382.83 106.9,382.88 106.11,382.87 104.25,382.92 v1(103.64,382.7) ; v1(82.19,328.92) 81.45,328.59 80.41,328.57 J1.42 ; v1(91.74,346.33) 92.01,347.08 92.38,349.41 92.99,351.38 93.61,352.59 94.6,353.96 95.69,355.16 96.5,356.22 97.44,357.92 98.25,361.16 v1(98.57,362.48) ; R70.1 189.33,391.68 185.13,391.57 183.24,391.54 182.72,391.4 181.15,391.11 179.94,390.75 179.13,390.62 177.93,390.31 177.9,390.34 176.33,390.08 174.64,389.62 172.31,389.36 171.23,389.15 170.92,389.1 v2(169.53,389.1)
DATIC: length 211.4
  Top w0.15: R91.1 191.99,406.29 192.96,406.29 193.73,406.26 194.61,405.63 196.15,404.46 UB2.11
  Top w0.2: 83.24,369.98 v1(83.3,370.04) 84.31,370.13 ; 88.97,370.06 88.96,370.06 v1(88.94,370.08) 88.93,370.06 87.98,370.06
  Top w0.25: 84.31,370.13 87.98,370.06
  Bottom w0.15: v1(83.3,370.04) 83.51,369.03 83.66,367.49 83.88,363.97 84.37,355.67 84.65,352.09 84.85,348.08 85.09,343.26 85.05,341.75 85,334.24 85.02,328.53 84.97,325.99 84.81,323.89 84.5,320.78 83.74,317.5 83.69,312.81 ; v1(88.94,370.08) 88.59,376.82 88.58,379.78 88.35,384.47 88.44,387.81 90.31,392.74 90.85,393.67 93.33,395.71 94.89,396.84 96.04,397.48 97.84,398.68 104.72,401.8 105.91,402.46 108.5,403.55 110.96,404.45 113.83,404.84 116.34,404.73 117.61,404.56 122.06,403.83 122.83,403.63 126.4,403.17 126.93,403.21 127.62,403.23 129.08,403.4 131.47,404.03 133.55,404.69 141.64,406.27 144.59,406.55 148.23,407.68 155.73,407.68 165.52,407.72 166.33,407.11 166.47,406.83 168.43,404.55 170.14,404.25 175.06,405.02 178.12,405.27 182.91,405.76 184.91,405.85 187.94,406.02 188.36,406.12 R91.1 ; J1.54 80.09,308.82 80.13,308.78 81.31,308.74 82.31,309.16 82.95,309.66 83.68,310.78 83.69,312.81 ; 83.69,312.81 83.69,313.74
DATOA: length 120.5
  Top w0.25: 92.38,377.6 92.33,377.65 v2(92.28,377.65) v2(85.88,377.65) 86.03,377.65
  Bottom w0.15: 108.42,373.96 107.8,374.12 105.36,374.39 104.37,374.58 101.62,374.83 99.05,375.27 96.13,376.08 94.51,376.73 93.29,377.23 v2(92.28,377.65) ; 108.42,373.96 109.63,373.96 R83.1 111.18,372.41 111.25,372.41 ; 108.42,373.96 109.26,373.74 110.08,373.74 110.08,373.65 ; 111.25,372.41 110.58,372.82 110.08,373.65 ; 111.25,372.41 111.35,372.35 112.81,372.04 114.05,372.1 115.85,372.09 116.85,371.91 117.33,371.31 117.72,370.11 UD0.11 ; v2(85.88,377.65) 85.88,376.67 85.99,375.85 86.04,375.35 86.42,373.7 86.5,366.74 86.51,366.01 86.67,363.63 87.1,357.82 87.07,352.07 87.13,352 87,351.86 87,341.23 86.99,340.43 87.02,339.2 86.88,327.43 86.92,326.77 86.93,325.86 86.72,322.31 86.38,320.7 85.83,318.04 85.7,316.32 85.44,310.32 84.88,306.72 83.72,304.88 81.76,303.52 80.81,303.26 80.07,303.1 J1.58 ; 110.08,373.65 110.17,373.65 110.28,373.54
DATOB: length 201.3
  Top w0.25: v2(92.28,373.75) 92.08,373.95 v2(84.53,373.9) 84.48,373.95
  Bottom w0.15: UB2.1 187.72,396.6 186.85,396.85 186.14,397.26 185.05,397.54 183.89,397.59 182.21,397.56 179.74,396.12 179.32,395.5 177.85,395.11 172.21,394.87 170.4,394.49 R58.1 166.97,396.29 166.01,396.99 164.32,397.53 155.02,397.7 151.06,398.36 148.49,398.66 147.69,398.83 146.27,398.91 141.21,399 139.62,398.74 136.61,398.19 134.86,397.78 131.17,397.28 130.04,397.62 120.59,397.11 107.54,396.96 105.79,396.68 105.23,396.58 104.09,396.32 103.21,395.77 102.68,395.11 102.28,394.43 101.84,392.81 101.55,390.95 101.1,388.18 100.62,387.6 100.25,386.97 98.87,385.95 95.07,384.38 92.6,383.67 91.35,383.17 90.61,382.5 90.3,381.12 90.33,379.04 91.09,376.31 91.21,374.83 v2(92.28,373.75) ; v2(84.53,373.9) 84.7,373.11 84.74,372.5 84.84,372.14 84.98,371.09 85.42,367.79 85.49,364.23 86.15,347.19 85.91,333.68 85.93,325.17 85.77,322.79 85.55,321.38 84.93,318.92 84.77,317.94 84.57,310.82 84.43,309.97 84.26,309.59 83.95,308.67 83.6,307.93 82.42,306.67 80.42,306.01 J1.56
DATOC: length 165.7
  Top w0: 81.24,366.15 81.25,366.17 v1(82.12,366.17) ; 92.28,366.17 v1(92.32,366.21)
  Top w0.2: v1(82.12,366.17) 92.28,366.17
  Bottom w0.15: UD2.1 187.03,362.07 185.03,362.96 182.35,362.95 177.87,362.18 176.74,361.96 175.27,361.77 174.05,361.58 171.41,361.17 R14.1 169.21,362.19 168.95,362.61 168.18,363.56 167.27,364.28 166.84,364.61 166.22,364.96 165.41,365.28 164.35,365.39 162.97,365.21 160.83,364.56 158.56,364.54 157.49,364.5 155.24,364.64 153.09,365.48 150.16,366.63 149.12,367.13 147.7,367.65 146.26,368.29 144.43,368.56 142.71,368.55 140.63,368.23 139.93,367.99 137.97,367.56 134.37,366.86 129.33,366.85 126.92,366.53 125.51,366.1 123.53,366.08 120.03,365.91 117.47,365.84 106.48,365.62 102.95,365.45 102.36,365.4 101.83,365.13 100.61,364.92 98.36,364.93 97.45,365.09 94.95,365.48 93.74,365.8 v1(92.32,366.21) ; v1(82.12,366.17) 82.12,366.04 82.14,365.48 82.31,364.56 82.36,362.46 83.11,355.05 83.37,350.01 84.01,339.35 83.82,328.94 83.94,327.05 83.88,325.32 ; 83.89,325.52 83.84,322.63 83.61,321.04 82.99,319.66 80.6,318.62 J1.48
DCHI: length 295.3
  Top w0.15: v1(102.46,363.68) 103.17,362.62 103.57,361.39 104.39,358.14 104.41,356.87 104.45,356.35 104.42,356.05 104.39,354.06 103.93,352.26 101.37,347.74 99.86,345.32 99.33,343.85 98.88,340.57 98.57,337.96 98.5,337.58 98.37,337.03 97.76,334.93 97.44,333.85 97,332.51 96.45,330.75 95.65,327.22 95.53,314.8 95.57,312.68 96.66,310.09 96.86,309.86 97.07,309.45 99.62,305.24 100.16,303.05 100.36,301.89 100.68,296.24 101.17,294.82 101.06,290.04 100.43,287.17 100.43,283.87 100.37,283.8 100.54,273.62 100.57,271.87 101.05,268.36 102.04,266.35 101.96,266.46 103.22,264.58 104.58,260.86 104.72,260.61 104.72,258.11 ; 104.72,258.19 104.75,255.44 104.74,255.07 104.59,248.65 104.45,244.69 104.17,241.71 104.01,240.22 103.73,237.82 103.62,237.32 103.27,234.92 102.96,232.88 102.98,232.97 102.79,231.71 102.52,229.91 101.97,226.5 101.76,225.5 101.45,223.61 101.16,222.51 100.95,221.52 100.49,218.08 100.37,216.13 100.43,215.41 100.7,212.89 100.96,211.58 101.18,209.06 101.3,206.83 101.65,203.38 101.79,200.25 101.79,198.19 101.6,197.5 101.53,196.38 100.77,194.28 100.04,192.45 99.48,191.24 98.53,189.32 97.48,187.1 96.91,185.47 96.82,184.36 96.98,182.57 97.62,180.15 97.74,179.41 97.82,178.82 97.99,177.98 98.16,176.87 98.11,173.92 97.94,172.53 97.34,169.45 96.82,166.84 96.95,163.4 96.98,163.38 97.11,161.12 97.18,160.66 97.38,158.16 97.36,157.46 97.44,156.78 97.61,152.81 97.58,150.17 97.68,148.36 97.5,147.37 96.75,146.66 95.9,146.3 95.1,146.12 92.86,145.86 92.12,145.82 90.79,145.7 90.13,145.71 89.53,145.72 89.02,145.67 88.23,145.64 87.7,145.54 86.3,145.37 86.26,145.34 85.68,145.34 84.58,145.22 83.99,145.18 77.18,145.18 J2.37
  Bottom w0.15: v1(102.46,363.68) 103.53,364.01 104.44,364.27 107.12,364.57 107.64,364.64 111.43,364.7 118.73,364.94 124.97,365.1 126.45,365.12 127.11,365.25 128.88,365.68 129.62,365.71 134.87,365.74 136.75,365.92 140.26,366.47 140.74,366.57 141.94,366.53 144.04,365.53 145.14,364.73 145.98,364.05 146.83,363.55 UD1.1 147.84,361 148.12,360.03 R9.1
DCHO: length 296.5
  Top w0.15: 102.16,241.94 102.44,244.6 102.54,245.59 102.66,246.67 102.78,248.31 102.8,248.74 102.8,254.14 102.78,254.71 102.74,255.76 102.75,259.62 102.49,260.89 101.17,264.18 100.77,265.08 100.4,265.67 100,266.54 99.24,267.94 98.9,269.31 98.86,269.5 98.53,273.02 98.64,276.63 98.53,280.79 98.53,281.38 98.56,281.96 98.65,287.25 98.72,287.68 99.07,288.93 99.22,289.3 99.37,290.88 99.37,291.66 99.24,292.93 ; 99.24,292.83 99.08,295.63 98.98,296.31 98.8,298.35 98.57,299.26 98.39,300.16 97.36,302.24 96.86,302.96 96.26,304.03 96.29,307.96 96.07,308.58 95.5,310.26 95.14,311.59 94.78,312.63 94.8,327.46 94.95,328.26 95.22,330.35 95.53,331.48 95.91,333.2 97.02,336.28 97.43,337.94 97.56,338.6 97.56,339.42 97.78,340 97.85,341.32 98.04,343.46 99.33,347.01 99.73,347.79 100.59,349.65 100.89,350.34 101.65,351.92 101.71,352.39 101.89,352.95 101.79,354.23 101.71,354.64 101.65,355.82 101.25,357.71 100.76,360.11 100.62,360.56 100.4,361.86 100.28,363.71 100.66,365.39 100.83,365.82 101.18,366.77 v1(101.16,366.79) 101.18,366.81 101.18,366.85 ; J2.33 81.82,151.55 85.97,151.68 89.74,151.86 92.01,151.95 93.35,152.18 93.65,152.28 94.64,152.56 95.38,153.26 95.69,154.8 95.51,157.77 95.32,158.6 94.89,163.53 94.8,165.52 95.27,169.05 95.69,171.03 96,172.93 96.21,174.13 96.22,177.29 95.06,182.43 94.78,184.52 94.96,185.6 95.55,187.08 95.94,188.5 96.63,189.68 97.15,190.83 97.8,192.3 98.44,193.71 98.7,194.49 98.99,195.18 99.35,195.89 99.9,198.21 99.86,199.16 99.87,199.67 99.79,201.18 99.79,202.2 99.78,202.37 99.72,203.73 99.63,204.55 99.59,205.39 99.02,211.12 98.62,213.89 98.55,214.44 98.42,215.77 98.39,216.42 98.47,217.2 98.48,218 99.55,225.07 99.96,227.4 100.37,229.61 100.8,232.45 101.23,235.26 101.5,236.96 101.64,237.67 102.05,241.27 102.18,242.13
  Bottom w0.15: v1(101.16,366.79) 102.17,366.89 102.68,366.94 103.84,367.03 106.39,367.35 107.29,367.39 108.03,367.32 108.71,367.23 110.85,366.83 115.15,366.68 116.33,366.76 119.09,366.86 122.14,366.95 125.73,367.24 127.55,367.8 131.36,367.81 132.94,367.78 134.63,368.05 135.5,368.33 137.12,368.69 140.91,370.44 143.08,371.38 144.13,372.04 145.88,372.67 R11.1 150.99,373.63 152.18,373.63 153.96,373.47 154.63,372.73 155.24,371.57 155.63,370.84 155.66,370.08 UD1.11
DISK0 ACT: length 95.6
  Top w0.15: 92.43,324.25 v1(92.31,324.12) 91.94,322.78 91.15,320.64 90.04,317.43 89.35,315.46 88.43,312.77 87.11,309.08 86.43,307.35 85.52,305.07 83.99,301.83 83.72,301.49 83.29,300.8 80.92,297.38 79.68,296.12 J1.61
  Bottom w0.15: UF1.13 150.14,330.59 149.82,330.06 148.86,329.24 147.89,328.97 144.3,328.92 142.54,328.9 139.66,328.78 135.62,327.98 132.54,327.46 129.69,327.16 124.08,326.89 121.85,326.64 116.94,326.69 116.07,326.95 112.11,327.27 108.15,327.39 107.3,327.37 R73.2 100.01,326.78 v1(99.91,326.68) 99.4,326.68 98.77,326.73 97.51,326.63 97.03,326.57 96.56,326.48 95.5,326.24 94.3,325.46 93.88,325.25 93.42,324.9 92.94,324.55 v1(92.31,324.12)
DISK1: length 274.3
  Top w0.15: 134.47,319.17 133.96,308.88 133.89,307.85 133.73,304.18 133.86,303.81 134.02,303.07 134.23,300.87 133.88,299.21 ; 87.68,249.31 86.32,250.67 86.15,250.96 85.8,251.41 84.51,252.97 84.18,253.34 83.89,253.74 83.53,254.42 82.93,255.46 82.42,256.27 81.97,256.78 81.82,256.89 80.66,257.58 76.02,257.76 J1.85 ; 87.6,249.39 88.87,247.8 89.24,247.46 89.85,246.77 90.23,246.29 91.07,245.33 91.69,244.62 92.08,244.23 93.64,242.68 95.02,241.56 95.51,241.13 v1(96.28,240.73) 96.39,240.85 ; v1(132.44,382.32) 132.75,380.94 133.52,379.11 134.33,376.23 134.7,374.85 134.89,373.11 135.16,371.81 135.27,361.1 135.44,357.43 135.47,342.18 135.07,336.35 135.16,333.69 134.92,330.94 134.79,325.44 134.74,324.56 134.45,318.87 ; 133.88,299.34 133.81,297.9 133.57,295.53 133.88,288.78 134.16,284.47 134.36,280.8 134.81,275.22 135.16,270.59 135.26,268.23 135.63,264.24 135.85,259.59 135.71,254.57 135.6,252.69 135.71,250.73 136.16,249.57 v1(136.92,248.61)
  Top w0.25: UC0.5 122.28,382.1 123.01,383.98 123.93,386.2 123.18,390.2 120.63,394 117.29,396.86 R19.1
  Bottom w0.15: v1(136.92,248.61) 136.32,248.58 135.44,248.36 134.61,248.05 133.78,247.76 132.7,247.43 129.75,247.06 128.93,247.01 126.2,246.9 120.78,246.89 119.68,246.76 119.14,246.51 118.46,246.13 117.22,244.93 115.9,243.75 115.08,243.45 114.43,243.19 111.83,242.93 109.71,242.63 105.98,242.12 103.64,241.76 101.08,241.37 99.12,241.04 96.74,240.66 v1(96.28,240.73) ; 98.53,394.59 92.89,389.33 CR5.1 ; 98.53,394.59 99.13,394.97 99.74,395.38 101.98,397.04 102.72,397.38 105,398.26 106.21,398.52 108.59,399.17 R19.1 ; 98.53,394.59 98.48,393.97 98.56,393.6 R18.1 ; UC0.5 121.23,380.16 121.94,380.74 122.3,380.99 123.82,381.84 126,381.96 126.55,382.01 127.91,382.1 131.43,382.36 v1(132.44,382.32)
DISK2: length 55.2
  Top w0.15: R16.2 92.22,248.52 90.43,249.56 89.07,250.92 88.27,251.79 87.54,253.02 86.7,254.3 ; 83.84,259.05 83.06,260.3 82.71,261.33 81.91,262.41 81.58,262.81 81.11,263.56 80.23,264.13 J1.81 ; 83.89,258.95 84.37,258.12 85.14,256.62 85.92,255.37 86.95,253.95
  Bottom w0.15: UK0.2 117.43,250.17 116.44,249.52 115.34,248.87 113.74,248.25 111.87,247.74 110.54,247.45 108.55,247.95 107.21,248.43 105.25,249.11 103.73,249.26 102.07,249.37 99.78,249.37 98.72,249.27 R57.1 95.26,249.58 R92.1 93.93,250.47 R16.2
DISK NEW REQ: length 120.6
  Top w0.15: J1.59 75.78,299.27 80.35,300.06 81.82,300.77 83.35,302.88 84.24,305.26 85.11,307.94 85.86,311.25 86.16,312.43 87.42,317.23 88.34,319.62 88.97,321.63 89.3,322.41 89.69,323.98 90.86,325.62 v1(92.13,326.74) 92.13,326.8 ; 130.75,360.15 130.32,359.5 130.15,355.58 130.32,351.53 130.4,349.18 130.5,342.16 130.35,340.22 130.23,336.61 129.96,335.52 129.7,332.4 129.78,331.75 130.1,330.09 v1(130.3,329.24) ; 130.75,360.15 131.6,361 v1(131.71,361) ; 130.75,360.15 130.88,360.34
  Bottom w0.15: v1(92.13,326.74) 92.92,326.94 93.39,327.19 95.14,327.7 96.46,327.95 97.22,328.24 98.62,328.53 99.48,328.68 104.95,328.62 105.61,328.59 106.37,328.56 106.84,328.55 111.76,328.36 112.65,328.48 114.13,328.79 115.49,329.43 116.07,329.84 116.56,330.15 117.4,330.6 UF0.11 118.08,330.47 118.76,329.86 119.28,329.65 120.5,329.23 124.04,329.05 128.32,329.05 128.93,329.05 v1(130.3,329.24) ; v1(131.71,361) 132.82,361.31 134.07,361.58 136.15,361.95 139.81,363.03 140.96,363.33 141.5,363.53 142.03,363.76 R72.1
DISK PRES REQ: length 56.1
  Top w0.15: J1.57 79.94,302.91 80.52,302.93 81.28,303.17 82.74,304.59 83.21,305.95 83.87,307.81 84.35,309.85 85.9,315.91 86.35,317.27 86.8,318.82 87.14,319.92 87.56,320.77 88.03,322.16 88.35,323.17 89.54,326.18 90.15,326.88 90.43,327.21 91.14,328.06 91.4,328.31 92.26,329.29 v1(92.26,329.32) 92.29,329.32 92.3,329.33
  Bottom w0.15: v1(92.26,329.32) 94.93,329.65 97.85,330.03 98.65,330.18 99.92,330.35 101.04,330.41 102.07,330.52 v1(102.42,330.52) 102.49,330.59 R32.1 106.22,330.27 107.82,329.75 110.22,329.56 111.44,330.06 111.72,330.3 112.58,331.16 UF0.13
DISK WR DATA: length 257.4
  Top w0.15: 92.56,311.07 92.56,311.01 v1(92.5,310.94) 92.56,310.88 92.56,310.76 92.16,310.73 91.64,310.54 91.25,310.07 90.92,309.82 88.42,307.09 88.09,306.57 87.52,305.63 86.57,303.96 85.1,301.13 83.69,298.98 82.83,297.25 81.68,295.46 79.18,292.95 J1.63 ; 95.8,290.21 95.04,289.32 94.82,289.15 94.28,288.79 91.67,286.81 90.86,286.25 89.75,285.42 87.67,283.77 85.9,282.46 85.42,282.1 83.39,280.42 82.62,280.07 82.11,279.96 81.39,279.9 76,280 J1.71 ; 95.7,290.11 96.05,290.46 96.25,290.89 96.55,292.37 96.5,293.49 96.47,293.93 96.53,294.26 96.44,294.96 96.41,295.4 96.23,296.75 95.82,297.26 95.46,297.86 95.12,298.31 94.69,298.78 94.57,299 93.58,300.48 93.23,300.95 v1(92.95,301.33) 92.88,301.26
  Bottom w0.15: v1(92.5,310.94) 93.15,311.31 93.94,312.17 94.74,312.75 96.09,314 97.3,315.18 98.34,315.94 98.34,315.98 99.39,316.79 101.24,317.71 102.94,318.13 104.01,318.48 105.87,318.94 108.1,318.93 117.29,319.21 119.47,319.2 128.42,319.38 130.44,319.71 132.66,320.06 133.33,320.09 134.08,320.28 137.19,321.51 138.41,322.07 139.3,322.43 140.13,322.75 140.83,322.93 143.16,322.85 144.29,322.61 145.07,322.47 145.76,322.29 147.29,322.06 147.79,321.87 150.35,321.57 151.66,321.57 156.13,321.61 161.75,321.39 169.74,321.54 171.08,321.55 173.16,321.62 174.26,321.56 175.85,321.56 181.59,321.66 183.78,321.79 186.19,321.97 187.01,321.98 193.8,322.18 195.07,322.5 196.58,322.79 UF2.4 ; R3.1 174.34,310.29 171.32,310.99 139.38,310.91 134.14,310.88 132.33,310.68 131.02,310.61 128.68,310.39 122.46,310.02 113.99,309.71 111.35,309.55 109.52,309.08 103.63,307.62 100.61,307.2 97.45,306.32 96.49,305.73 95.81,304.77 94.67,303.4 94.47,302.98 93,301.33 v1(92.95,301.33)
DSK SEL: length 141.3
  Top w0.15: UF2.2 191.12,323.3 191.32,323.09 191.32,322.97 191.61,321.86 192.08,320.34 192.16,319.44 192.35,318.1 v1(192.37,318.08) 192.35,318.05 192.35,317.92 ; J1.67 75.89,286.73 80.18,286.73 80.18,287.23 81.19,287.9 ; 92.76,306.2 v1(92.79,306.08) 92.47,305.56 91.89,305.02 91.7,304.95 91.51,304.8 91.12,304.32 89.64,302.96 89.07,302.49 88.23,301.49 86.64,299.81 85.78,298.53 85.37,297.81 84.95,297.28 83.66,294.3 83.65,293.56 83.53,292.71 83.46,292.12 ; 81.15,287.85 82.36,289.07 82.87,289.77 83.05,290.1 83.3,291.29 83.47,292.21
  Bottom w0.15: v1(192.37,318.08) 188.25,317.44 181.93,317.69 177.71,318.23 175.14,318.33 173.64,318.61 171.84,318.81 169.22,318.14 166.43,317.93 160.08,317.13 154.42,317.27 151.49,317.7 148.05,318.5 145.36,319.51 144.85,319.78 143.48,320.48 142.11,321.25 141.35,321.19 139.82,320.56 137.03,319.09 135.07,318.6 133.27,318.25 131.32,317.96 129.2,317.54 128.15,317.36 121.97,317.22 116.26,317.15 111.05,317.04 108.63,316.9 107.83,316.8 102.56,315.83 101.8,315.55 100.42,315.1 99.42,314.37 98.35,312.72 97.28,310.65 96.55,309.21 95.41,307.87 94.69,307.17 94.37,306.78 93.33,306.08 v1(92.79,306.08)
DSK ~{RST}: length 65.1
  Top w0.15: 91,257.3 90.69,259.35 90.38,260.72 89.94,262.26 88.7,264.65 88.3,265.39 87.6,266.46 86.84,267.79 86.66,268.04 85.78,269.21 84.62,270.56 83.61,271.78 80.79,273.44 80.28,273.51 J1.75 ; 90.97,257.5 91.05,256.68 91.11,256.25 R17.1
  Bottom w0.15: R15.2 91.06,253 R17.1 93.26,253.73 94.42,253.51 R76.1 97.13,252.47 99.73,252.31 100.4,252.25 102.32,252.04 104.59,251.75 106.01,251.48 108.28,251.22 109.54,251 110.67,251.15 111.98,251.88 112.73,252.49 113.75,253.13 114.47,253.54 115.07,253.71 115.69,253.86 120.84,253.99 121.52,253.59 122.33,252.59 122.51,252.25 UK0.4
E0p2: length 15.8
  Bottom w0.2: C61.1 124.31,336.43 R33.1 121.72,337.62 119.63,338.34 117.35,339.13 114.98,339.83 114.11,340.23 113.41,340.99 113.12,342.04 112.48,343.05
E0p4: length 10.6
  Bottom w0.2: 117.56,343.05 117.87,341.92 118.28,341.19 118.68,340.34 120.07,339.56 120.84,339.47 122.64,339.48 R53.1 124.31,339.6 125.88,339.6
E0p5: length 103.1
  Top w0.15: v1(131.71,334.52) 131.95,332.86 132.04,331.54 132.08,327.35 132.16,321.43 131.89,316.04 131.85,315.38 131.81,314.67 131.62,311.32 131.6,311.18 131.56,307.63 131.51,305.09 131.41,303.08 131.48,302.11 131.84,300.09 131.95,298.59 131.3,296.53 130.62,295.67 v1(130.37,295.07)
  Top w0.25: UH0.2 112.37,287.95 111.38,284.86 111.5,282.06 111.35,281.92 111.35,277.45 111.51,276.42 111.39,274.97 111.22,274.01 110.35,271.44 109.94,271.23 UJ0.1
  Bottom w0.2: UH0.2 113.41,290.63 114.82,291.77 118.06,292.33 122.05,292.76 124.09,292.98 125.19,293.12 127.18,293.61 127.65,293.77 128.77,294.18 129.71,294.6 v1(130.37,295.07) ; v1(131.71,334.52) 132.23,334.16 133.12,334.42 133.83,334.85 134.45,335.5 134.64,336.8 134.54,337.75 134.23,338.86 133.47,340.58 129.89,343.72 128.33,344.52 126.21,345.07 124.88,345.1 124.2,345.1 123.38,345.12 122.21,345.04 121.57,344.83 120.56,344.1 UE0.5
E0p6: length 11.6
  Top w0.25: UF0.9 122.47,332.61 122.08,335.64 122,337.4 121.99,338.83 122.29,342.7 122.64,343.05
E0p8: length 181.5
  Top w0.15: v1(183.52,353.34) 183.3,352.72 183.67,350.83 183.99,349.37 184.17,346.67 184.25,346.33 184.29,345.28 184.28,338.16 184.29,336.51 184.34,333.76 184.28,332.77 184.25,332.74 184.25,322.89 184.2,322.54 184.22,320.98 184.28,318.85 184.19,315.16 184.26,313.34 184.26,303.27 184.22,303.23 184.32,303.12 184.22,290.1 184.22,287.95 184.2,284.17 184.17,282.89 184.17,276.58 184.2,276.1 184.07,273.96 183.95,272.65 183.92,271.66 v1(183.62,269.67) ; UK2.12 193.71,263.05 194.45,265.07 195.02,267.04 195.83,268.63 195.87,269.27
  Bottom w0.2: 193.53,353.51 190.3,353.6 188.21,353.61 185.85,353.62 184.31,353.57 v1(183.52,353.34) 183.09,352.66 182.87,352.48 182.34,352.06 182.19,351.91 181.42,351.4 180.85,351.11 178.71,350.48 175.28,349.9 173.92,349.67 173.9,349.69 172.14,349.4 170.62,349.17 167,348.77 161.2,348.07 158.84,347.55 157.19,347.12 153.68,346.45 152.44,346.41 142.74,346.48 142.01,346.5 140.39,346.6 138.84,346.95 137.71,347.36 136.55,347.79 135.14,348.48 133.86,349.04 132.49,349.91 131.35,350.51 129.26,350.92 128.05,350.92 127.47,350.93 126.25,350.89 UE0.8 ; UE2.11 195.94,352.39 194.45,353.5 193,353.51 ; v1(183.62,269.67) 184.13,269.38 185.38,268.89 190.41,268.9 194.41,268.96 195.66,269.23 196.2,269.45 UJ2.4
